# KiCad board Lotus58_Glow_125.kicad_pcb
title: Lotus 58 Glow; date: 2023-03-10; rev: v1.2.5; company: Markus Knutsson <markus.knutsson@tweety.se>; note: https://github.com/TweetyDaBird; note: Licensed under CERN-OHL-S v2 or any superseding version
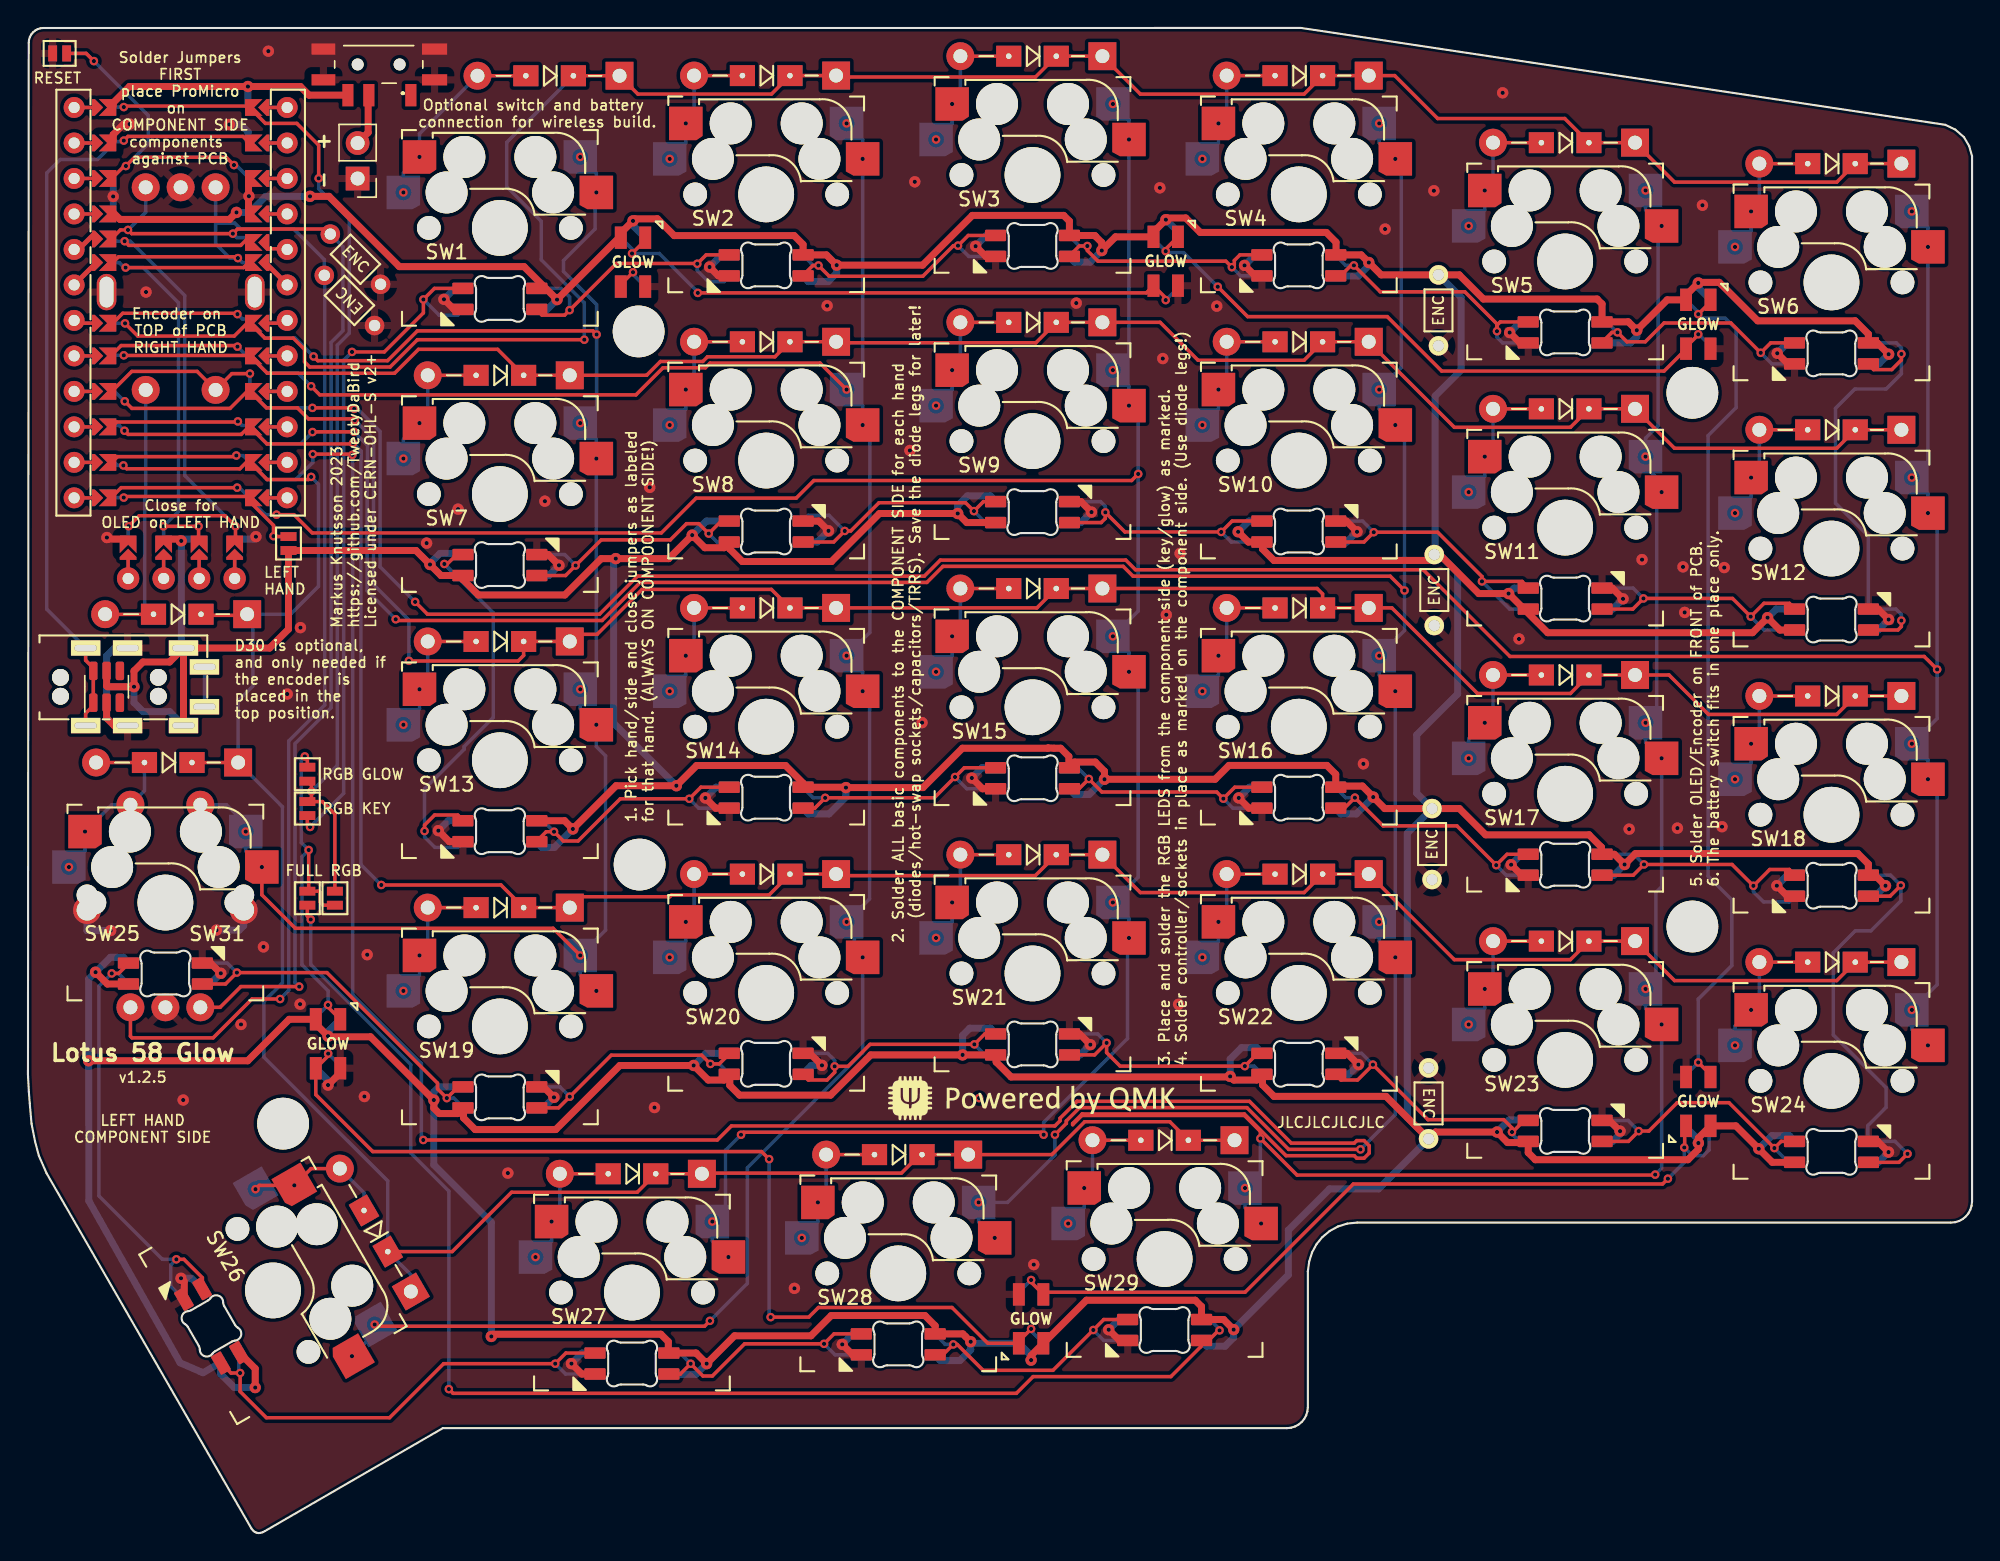
[diagram p0: board, top side]
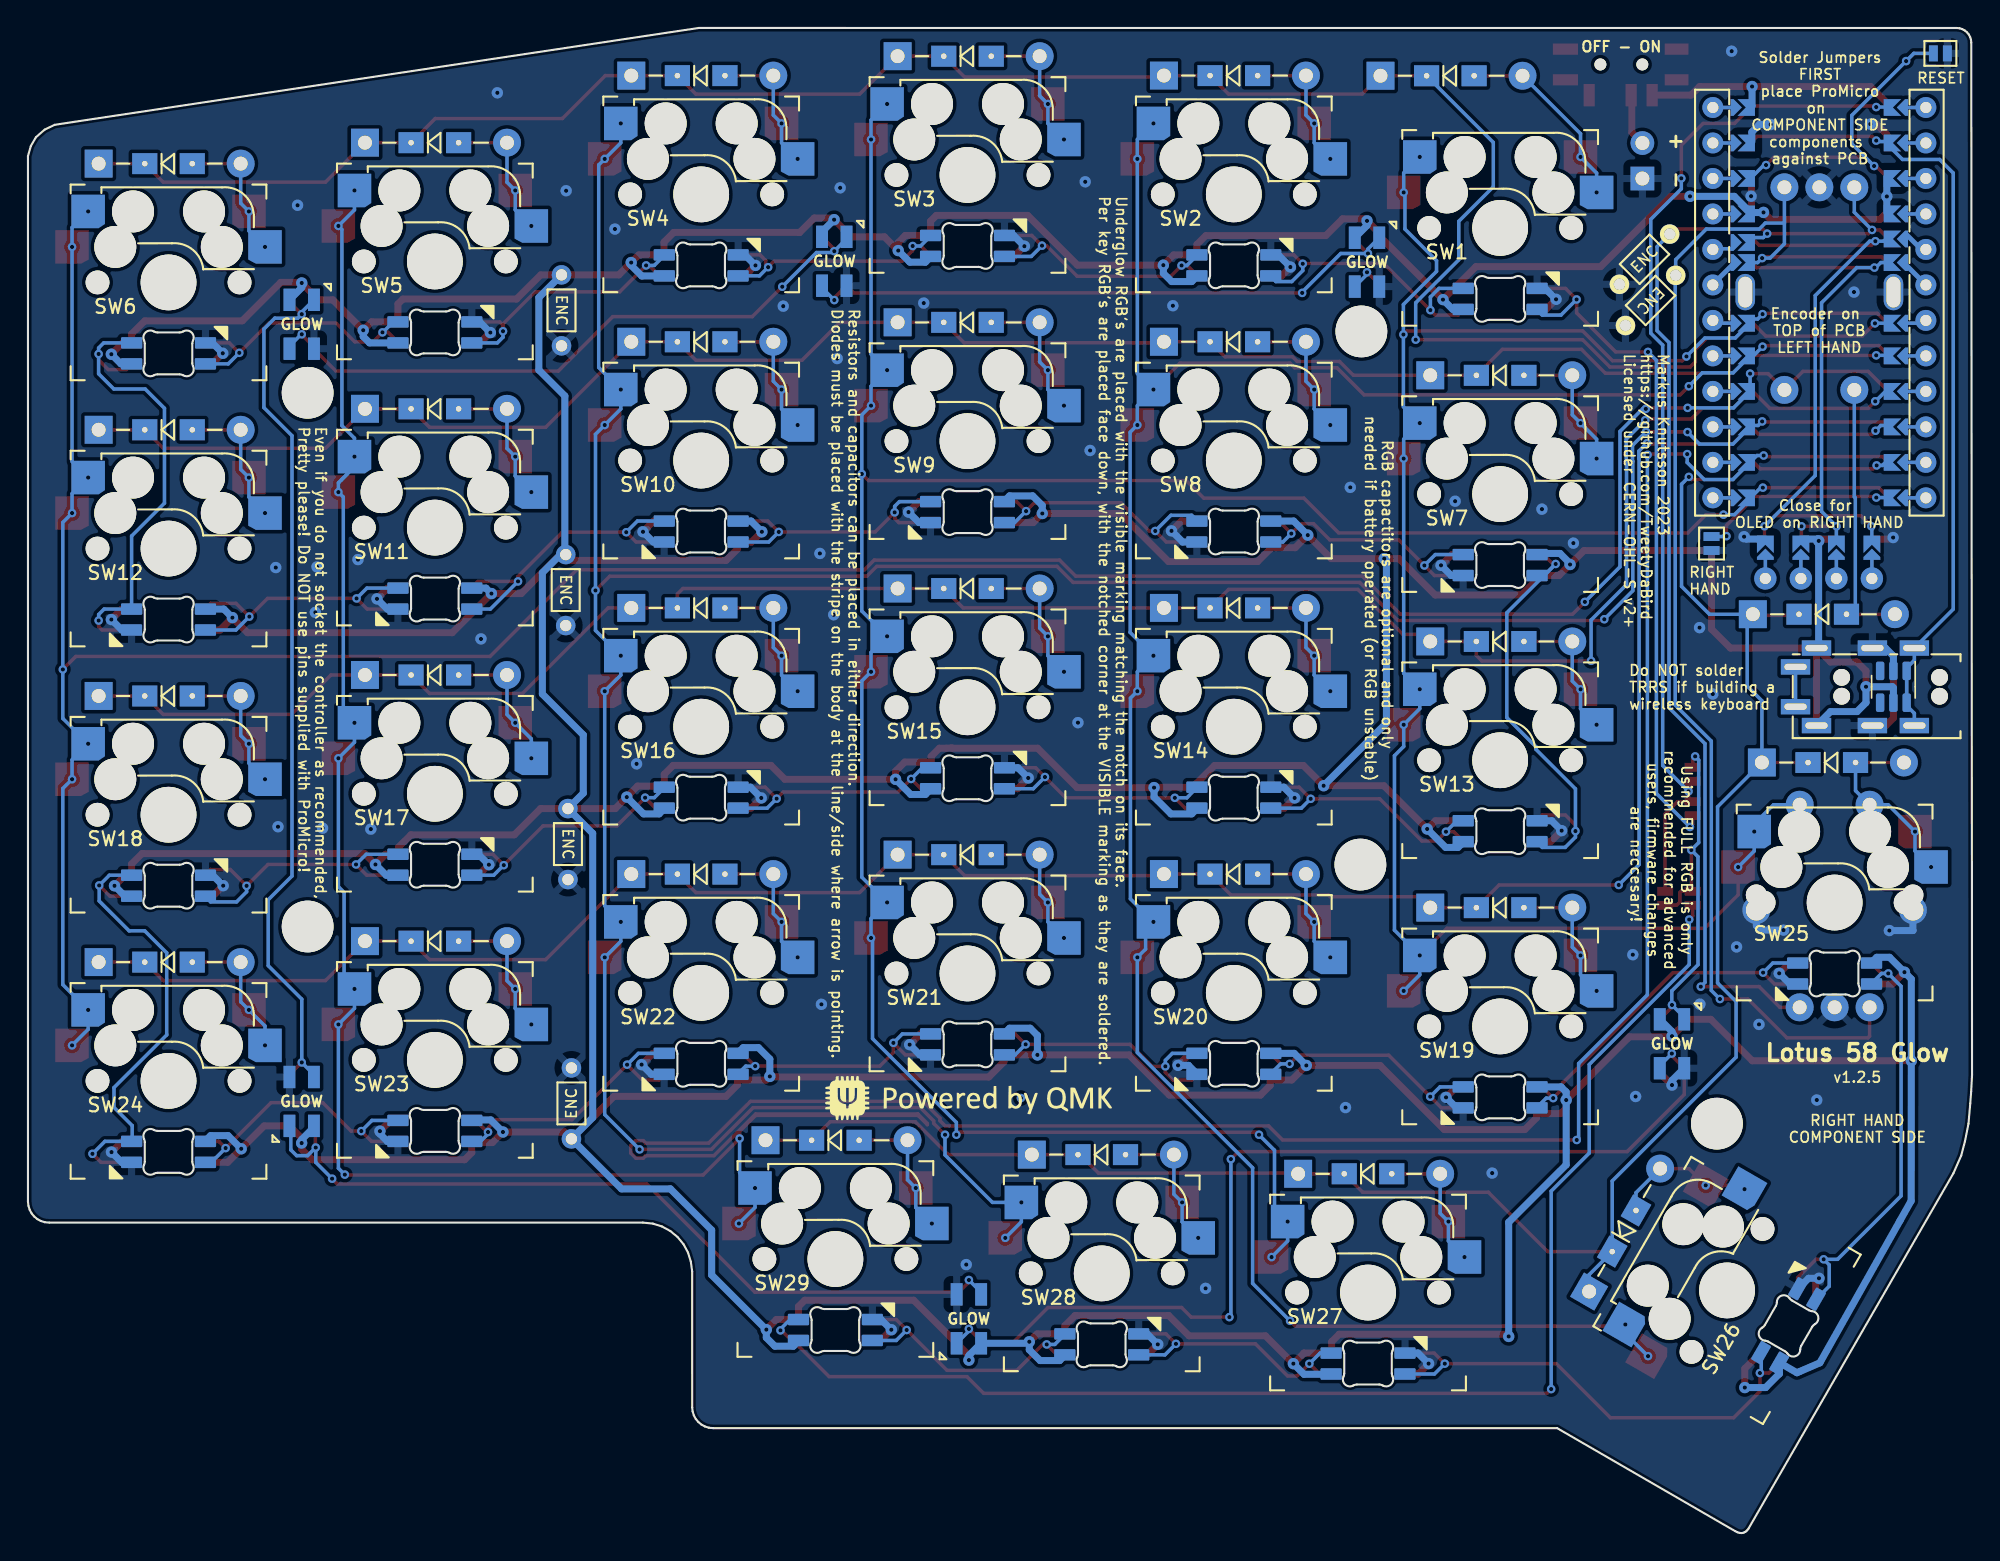
[diagram p1: board, bottom side, seen from below]

Outline 139.06 x 107.73 mm; copper layers: Top, Bottom. Coordinates in mm from the lower left corner of the outline.
Outline path: 0,32.8 0.06,106.67 0.08,106.89 0.14,107.08 0.24,107.26 0.36,107.42 0.52,107.54 0.7,107.64 0.89,107.7 1.11,107.72 91.06,107.73 137.15,100.79 137.87,100.45 138.49,99.9 138.86,99.27 139.06,98.56 139.06,23.73 139.02,23.42 138.94,23.13 138.8,22.88 138.61,22.66 138.39,22.47 138.14,22.34 137.86,22.25 137.54,22.22 95.07,22.22 94.37,22.15 93.71,21.95 93.12,21.62 92.6,21.2 92.17,20.68 91.85,20.08 91.65,19.43 91.55,18.72 91.55,8.99 91.52,8.71 91.43,8.42 91.29,8.17 91.11,7.95 90.89,7.76 90.63,7.63 90.35,7.54 90.05,7.51 29.67,7.51 16.95,0.14 16.78,0.06 16.62,0.01 16.47,0 16.34,0.03 16.21,0.09 16.09,0.19 15.98,0.33 1.33,25.75 0.77,27.02 0.51,28.03 0.25,29.3 0.13,30.76 0.06,31.59 0,32.8

## Placement (name value [footprint] x y rotation side)
C1  100nF  [RESISTOR_Reversible]  23.42 91.17 315 bottom
C2  100nF  [RESISTOR_Reversible]  23 88.22 135 bottom
C3  100nF  [RESISTOR_Reversible]  100.89 87.51 270 top
C4  100nF  [RESISTOR_Reversible]  100.6 67.49 270 top
C5  100nF  [RESISTOR_Reversible]  100.44 49.31 270 top
C6  100nF  [RESISTOR_Reversible]  100.19 30.75 90 top
D1  1N4148/1N4148W  [Diode_DO35_SOD123]  37.31 104.3 180 bottom
D2  1N4148/1N4148W  [Diode_DO35_SOD123]  52.8 104.32 180 bottom
D3  1N4148/1N4148W  [Diode_DO35_SOD123]  71.86 105.7 180 bottom
D4  1N4148/1N4148W  [Diode_DO35_SOD123]  90.91 104.31 180 bottom
D5  1N4148/1N4148W  [Diode_DO35_SOD123]  109.95 99.51 180 bottom
D6  1N4148/1N4148W  [Diode_DO35_SOD123]  129 98.01 180 bottom
D7  1N4148/1N4148W  [Diode_DO35_SOD123]  33.76 82.86 180 bottom
D8  1N4148/1N4148W  [Diode_DO35_SOD123]  52.8 85.26 180 bottom
D9  1N4148/1N4148W  [Diode_DO35_SOD123]  71.86 86.65 180 bottom
D10  1N4148/1N4148W  [Diode_DO35_SOD123]  90.91 85.26 180 bottom
D11  1N4148/1N4148W  [Diode_DO35_SOD123]  109.95 80.46 180 bottom
D12  1N4148/1N4148W  [Diode_DO35_SOD123]  129 78.96 180 bottom
D13  1N4148/1N4148W  [Diode_DO35_SOD123]  33.76 63.81 180 bottom
D14  1N4148/1N4148W  [Diode_DO35_SOD123]  52.8 66.21 180 bottom
D15  1N4148/1N4148W  [Diode_DO35_SOD123]  71.86 67.6 180 bottom
D16  1N4148/1N4148W  [Diode_DO35_SOD123]  90.91 66.21 180 bottom
D17  1N4148/1N4148W  [Diode_DO35_SOD123]  109.95 61.41 180 bottom
D18  1N4148/1N4148W  [Diode_DO35_SOD123]  129 59.91 180 bottom
D19  1N4148/1N4148W  [Diode_DO35_SOD123]  33.76 44.76 180 bottom
D20  1N4148/1N4148W  [Diode_DO35_SOD123]  52.8 47.16 180 bottom
D21  1N4148/1N4148W  [Diode_DO35_SOD123]  71.86 48.55 180 bottom
D22  1N4148/1N4148W  [Diode_DO35_SOD123]  90.91 47.16 180 bottom
D23  1N4148/1N4148W  [Diode_DO35_SOD123]  109.95 42.36 180 bottom
D24  1N4148/1N4148W  [Diode_DO35_SOD123]  129 40.86 180 bottom
D25  1N4148/1N4148W  [Diode_DO35_SOD123]  10.03 55.15 180 bottom
D26  1N4148/1N4148W  [Diode_DO35_SOD123]  24.89 21.62 120 bottom
D27  1N4148/1N4148W  [Diode_DO35_SOD123]  43.2 25.71 180 bottom
D28  1N4148/1N4148W  [Diode_DO35_SOD123]  62.25 27.09 180 bottom
D29  1N4148/1N4148W  [Diode_DO35_SOD123]  81.3 28.11 180 bottom
D30  1N4148/1N4148W  [Diode_DO35_SOD123]  10.68 65.76 180 bottom
J1  PJ-320A  [MJ-4PP-9_alim]  0.83 61.24 90 top
J2  Conn_01x02  [PinHeader_1x02_P2.54mm_Vertical]  23.58 96.95 180 top
JP1  RESET  [Jumper_Mini]  2.27 105.9 180 bottom
JP2  RESET  [Jumper_Mini]  2.27 105.9 180 top
JP3  LEFT  [Jumper_Mini]  18.64 70.82 270 top
JP4  RIGHT  [Jumper_Mini]  18.64 70.82 270 bottom
JP5  FULL  [Jumper_Mini]  19.98 54.31 270 top
JP6  FULL  [Jumper_Mini]  19.98 51.85 270 top
JP7  FULL  [Jumper_Mini]  21.95 45.44 90 top
JP15  FULL  [Jumper_Mini]  19.98 45.44 90 top
LED1  SK6812MINI-E  [MX_SK6812MINI-E_REVERSIBLE]  33.76 88.33 180 top
LED2  SK6812MINI-E  [MX_SK6812MINI-E_REVERSIBLE]  52.8 90.73 180 top
LED3  SK6812MINI-E  [MX_SK6812MINI-E_REVERSIBLE]  71.86 92.12 180 top
LED4  SK6812MINI-E  [MX_SK6812MINI-E_REVERSIBLE]  90.91 90.73 180 top
LED5  SK6812MINI-E  [MX_SK6812MINI-E_REVERSIBLE]  109.95 85.93 180 top
LED6  SK6812MINI-E  [MX_SK6812MINI-E_REVERSIBLE]  129 84.43 180 top
LED7  SK6812MINI-E  [MX_SK6812MINI-E_REVERSIBLE]  33.76 69.28 0 top
LED8  SK6812MINI-E  [MX_SK6812MINI-E_REVERSIBLE]  52.8 71.68 0 top
LED9  SK6812MINI-E  [MX_SK6812MINI-E_REVERSIBLE]  71.86 73.07 0 top
LED10  SK6812MINI-E  [MX_SK6812MINI-E_REVERSIBLE]  90.91 71.68 0 top
LED11  SK6812MINI-E  [MX_SK6812MINI-E_REVERSIBLE]  109.95 66.88 0 top
LED12  SK6812MINI-E  [MX_SK6812MINI-E_REVERSIBLE]  129 65.38 0 top
LED13  SK6812MINI-E  [MX_SK6812MINI-E_REVERSIBLE]  33.76 50.23 180 top
LED14  SK6812MINI-E  [MX_SK6812MINI-E_REVERSIBLE]  52.8 52.63 180 top
LED15  SK6812MINI-E  [MX_SK6812MINI-E_REVERSIBLE]  71.86 54.02 180 top
LED16  SK6812MINI-E  [MX_SK6812MINI-E_REVERSIBLE]  90.91 52.63 180 top
LED17  SK6812MINI-E  [MX_SK6812MINI-E_REVERSIBLE]  109.95 47.83 180 top
LED18  SK6812MINI-E  [MX_SK6812MINI-E_REVERSIBLE]  129 46.33 180 top
LED19  SK6812MINI-E  [MX_SK6812MINI-E_REVERSIBLE]  33.76 31.18 0 top
LED20  SK6812MINI-E  [MX_SK6812MINI-E_REVERSIBLE]  52.8 33.58 0 top
LED21  SK6812MINI-E  [MX_SK6812MINI-E_REVERSIBLE]  71.86 34.97 0 top
LED22  SK6812MINI-E  [MX_SK6812MINI-E_REVERSIBLE]  90.91 33.58 0 top
LED23  SK6812MINI-E  [MX_SK6812MINI-E_REVERSIBLE]  109.95 28.78 0 top
LED24  SK6812MINI-E  [MX_SK6812MINI-E_REVERSIBLE]  129 27.28 0 top
LED25  SK6812MINI-E  [MX_SK6812MINI-E_REVERSIBLE]  9.83 40.05 0 top
LED26  SK6812MINI-E  [MX_SK6812MINI-E_REVERSIBLE]  13.13 14.83 120 top
LED27  SK6812MINI-E  [MX_SK6812MINI-E_REVERSIBLE]  43.2 12.13 180 top
LED28  SK6812MINI-E  [MX_SK6812MINI-E_REVERSIBLE]  62.25 13.51 180 top
LED29  SK6812MINI-E  [MX_SK6812MINI-E_REVERSIBLE]  81.3 14.53 180 top
LED30  SK6812MINI  [LED_SK6812MINI_PLCC4_3.5x3.5mm_P1.75mmdouble]  21.46 35.02 90 top
LED31  SK6812MINI  [LED_SK6812MINI_PLCC4_3.5x3.5mm_P1.75mmdouble]  71.76 15.33 270 top
LED32  SK6812MINI  [LED_SK6812MINI_PLCC4_3.5x3.5mm_P1.75mmdouble]  119.48 30.89 270 top
LED33  SK6812MINI  [LED_SK6812MINI_PLCC4_3.5x3.5mm_P1.75mmdouble]  119.48 86.52 90 top
LED34  SK6812MINI  [LED_SK6812MINI_PLCC4_3.5x3.5mm_P1.75mmdouble]  81.38 91.03 90 top
LED35  SK6812MINI  [LED_SK6812MINI_PLCC4_3.5x3.5mm_P1.75mmdouble]  43.28 90.96 90 top
Logo1  QMK_Logo  [qmk logo]  71.78 31.14 0 top
Logo2  QMK_Logo  [qmk logo]  71.78 31.14 180 bottom
P1  OLED  [SSD1306-0.91-OLED-4pin-128x32 doublesided]  10.98 86.82 270 top
S1  -  [MSK12C02]  25.09 105.11 180 top
SW1  Kailh hotswap MX socket  [SW_MX_HotSwap_Reversible]  33.76 93.41 0 top
SW2  Kailh hotswap MX socket  [SW_MX_HotSwap_Reversible]  52.8 95.81 0 top
SW3  Kailh hotswap MX socket  [SW_MX_HotSwap_Reversible]  71.86 97.2 0 top
SW4  Kailh hotswap MX socket  [SW_MX_HotSwap_Reversible]  90.91 95.81 0 top
SW5  Kailh hotswap MX socket  [SW_MX_HotSwap_Reversible]  109.95 91.01 0 top
SW6  Kailh hotswap MX socket  [SW_MX_HotSwap_Reversible]  129 89.51 0 top
SW7  Kailh hotswap MX socket  [SW_MX_HotSwap_Reversible]  33.76 74.36 0 top
SW8  Kailh hotswap MX socket  [SW_MX_HotSwap_Reversible]  52.8 76.76 0 top
SW9  Kailh hotswap MX socket  [SW_MX_HotSwap_Reversible]  71.86 78.15 0 top
SW10  Kailh hotswap MX socket  [SW_MX_HotSwap_Reversible]  90.91 76.76 0 top
SW11  Kailh hotswap MX socket  [SW_MX_HotSwap_Reversible]  109.95 71.96 0 top
SW12  Kailh hotswap MX socket  [SW_MX_HotSwap_Reversible]  129 70.46 0 top
SW13  Kailh hotswap MX socket  [SW_MX_HotSwap_Reversible]  33.76 55.31 0 top
SW14  Kailh hotswap MX socket  [SW_MX_HotSwap_Reversible]  52.8 57.71 0 top
SW15  Kailh hotswap MX socket  [SW_MX_HotSwap_Reversible]  71.86 59.1 0 top
SW16  Kailh hotswap MX socket  [SW_MX_HotSwap_Reversible]  90.91 57.71 0 top
SW17  Kailh hotswap MX socket  [SW_MX_HotSwap_Reversible]  109.95 52.91 0 top
SW18  Kailh hotswap MX socket  [SW_MX_HotSwap_Reversible]  129 51.41 0 top
SW19  Kailh hotswap MX socket  [SW_MX_HotSwap_Reversible]  33.76 36.26 0 top
SW20  Kailh hotswap MX socket  [SW_MX_HotSwap_Reversible]  52.8 38.66 0 top
SW21  Kailh hotswap MX socket  [SW_MX_HotSwap_Reversible]  71.86 40.05 0 top
SW22  Kailh hotswap MX socket  [SW_MX_HotSwap_Reversible]  90.91 38.66 0 top
SW23  Kailh hotswap MX socket  [SW_MX_HotSwap_Reversible]  109.95 33.86 0 top
SW24  Kailh hotswap MX socket  [SW_MX_HotSwap_Reversible]  129 32.36 0 top
SW25  Kailh hotswap MX socket  [SW_MX_HotSwap_Reversible]  9.83 45.13 0 top
SW26  Kailh hotswap MX socket  [SW_MX_HotSwap_Reversible]  17.53 17.37 300 top
SW27  Kailh hotswap MX socket  [SW_MX_HotSwap_Reversible]  43.2 17.21 0 top
SW28  Kailh hotswap MX socket  [SW_MX_HotSwap_Reversible]  62.25 18.59 0 top
SW29  Kailh hotswap MX socket  [SW_MX_HotSwap_Reversible]  81.3 19.61 0 top
SW30  Rotary_Encoder_Switch  [Encoder_Alps_EC11E_Small]  10.92 88.82 270 top
SW31  Rotary_Encoder_Switch  [Encoder_Alps_EC11E_Offset_pad]  9.83 45.13 90 top
TH1  HOLE  [Spacer PCB hole]  43.68 86 0 top
TH2  HOLE  [Spacer PCB hole]  119.05 81.61 0 top
TH3  HOLE  [Spacer PCB hole]  43.75 47.85 0 top
TH4  HOLE  [Spacer PCB hole]  119.05 43.41 0 top
TH5  HOLE  [Spacer PCB hole]  18.25 29.3 90 top
U1  ProMicro  [ProMicro_jumpers]  10.92 88.06 0 top
U2  SRV05-4  [SOT-23-6]  5.62 60.57 270 bottom
U3  SRV05-4  [SOT-23-6]  5.62 60.57 90 top

## Library data of the parts
LED1-LED29 = -: Field4: 1
S1 = -: Description: SMD Toggle Switches; Height: 1.4; Manufacturer_Name: Shou Han
U2 U3 = -: LCSC: C558418

## Footprints (pads in the part's own frame, mm; a bottom-side part is the same pattern mirrored in y, then rotated)
Diode_DO35_SOD123
  rect 1.999x1.999 hole 1: 1(-5,0.003)
  rect 1.8x1.5 hole 0.4: 1(-1.7,0) 2(1.7,0)
  round 1.999 hole 1: 2(5.16,0.003)
Encoder_Alps_EC11E_Offset_pad
  round 1.5 hole 1.5 unplated: (0.54,5.6) (0.54,-5.6)
  round 2 hole 1: A(-7.5,2.5) B(-7.5,-2.5) C(-7.5,0) S1(7,-2.5) S2(7,2.5)
  round 2 hole 1.5: MP1(-0.54,5.6) MP2(-0.54,-5.6)
Encoder_Alps_EC11E_Small
  round 2 hole 1: A(-7.5,2.5) B(-7.5,-2.5) C(-7.5,0) S1(7,-2.5) S2(7,2.5)
  oval 2.6x1.4 hole 2.2x1: MP1(0,5.3) MP2(0,-5.3)
Jumper_Mini
  rect 0.635x1.143 smd: 1(-0.5,0) 2(0.5,0)
LED_SK6812MINI_PLCC4_3.5x3.5mm_P1.75mmdouble
  rect 1.6x0.85 smd: 1(-1.75,0.875) 2(-1.75,-0.875) 3(1.75,-0.875) 4(1.75,0.875)
  rect 1.6x0.85 smd far side: 1(-1.75,-0.875) 2(-1.75,0.875) 3(1.75,0.875) 4(1.75,-0.875)
MJ-4PP-9_alim
  round 1.2 hole 1.2 unplated: (-1.35,-1.5) (-1.35,-8.5) (0,-1.5) (0,-8.5)
  rect 1.1x2.1 hole 0.45x1.6: R1(-3.45,-6.3) R1(2.1,-6.3) R2(-3.45,-3.3) R2(2.1,-3.3) S(-2.1,-11.8) S(0.75,-11.8) T(-3.45,-10.3) T(2.1,-10.3)
MSK12C02
  round 0.85 hole 0.85 unplated: (-1.5,0) (1.5,0)
  rect 0.8x1.6 smd: A1(-2.3,2.2) B1(0.7,2.2) C1(2.2,2.2)
  rect 1.8x0.8 smd: MP(-4,1.1) MP(-4,-1.1)
  rect 1.7x0.8 smd: MP(3.95,1.1) MP(3.95,-1.1)
MX_SK6812MINI-E_REVERSIBLE
  rrect 1.52x0.82 smd far side: 1(-2.64,0.75) 2(-2.64,-0.75) 4(2.64,0.75)
  rrect 1.52x0.82 smd: 1(-2.64,-0.75) 2(-2.64,0.75) 3(2.64,0.75)
  rrect 1.51x0.82 smd far side: 3(2.645,-0.75)
  rrect 1.51x0.82 smd: 4(2.645,-0.75)
PinHeader_1x02_P2.54mm_Vertical
  rect 1.7x1.7 hole 1: 1(0,0)
  oval 1.7x1.7 hole 1: 2(0,-2.54)
ProMicro_jumpers
  custom 1.8x1.8 smd: (-7.76,3.45) (-7.525,1.475) (7.525,1.3)
  round 1.5 hole 0.8: (-7.62,13.97) (-7.62,11.43) (-7.62,8.89) (-7.62,6.35) (-7.62,3.81) (-7.62,1.27) (-7.62,-1.27) (-7.62,-3.81) (-7.62,-6.35) (-7.62,-8.89) (-7.62,-11.43) (-7.62,-13.97) (7.62,13.97) (7.62,11.43) (7.62,8.89) (7.62,6.35) (7.62,3.81) (7.62,1.27) (7.62,-1.27) (7.62,-3.81) (7.62,-6.35) (7.62,-8.89) (7.62,-11.43) (7.62,-13.97)
  custom 1x0.25 smd: (-6.57,-1.47) (-6.45,13.97) (-6.45,11.43) (-6.45,8.89) (-6.45,6.35) (-6.45,-3.81) (-6.45,-6.35) (-6.45,-8.89) (-6.45,-11.43) (-6.45,-13.97) (6.45,13.97) (6.45,11.43) (6.45,8.89) (6.45,6.35) (6.45,-1.47) (6.45,-3.81) (6.45,-6.35) (6.45,-8.89) (6.45,-11.43) (6.45,-13.97) (6.63,3.86)
  custom 1x0.25 smd far side: (-6.57,-1.47) (-6.45,13.97) (-6.45,11.43) (-6.45,8.89) (-6.45,6.35) (-6.45,-3.81) (-6.45,-6.35) (-6.45,-8.89) (-6.45,-11.43) (-6.45,-13.97) (6.45,13.97) (6.45,11.43) (6.45,8.89) (6.45,6.35) (6.45,-1.47) (6.45,-3.81) (6.45,-6.35) (6.45,-8.89) (6.45,-11.43) (6.45,-13.97) (6.63,3.86)
  custom 1.8x1.8 smd far side: (-6.25,4.96) (-6,3) (6,2.825)
  custom 0.8x1.2 smd: (-5.942,13.97) (-5.942,11.43) (-5.942,8.89) (-5.942,6.35) (-5.942,4.56) (-5.942,2.87) (-5.942,-1.47) (-5.942,-3.81) (-5.942,-6.35) (-5.942,-8.89) (-5.942,-11.43) (-5.942,-13.97) (5.942,13.97) (5.942,11.43) (5.942,8.89) (5.942,6.35) (5.942,4.31) (5.942,2.87) (5.942,-1.47) (5.942,-3.81) (5.942,-6.35) (5.942,-8.89) (5.942,-11.43) (5.942,-13.97)
  custom 0.8x1.2 smd far side: (-5.942,13.97) (-5.942,11.43) (-5.942,8.89) (-5.942,6.35) (-5.942,4.56) (-5.942,2.87) (-5.942,-1.47) (-5.942,-3.81) (-5.942,-6.35) (-5.942,-8.89) (-5.942,-11.43) (-5.942,-13.97) (5.942,13.97) (5.942,11.43) (5.942,8.89) (5.942,6.35) (5.942,4.31) (5.942,2.87) (5.942,-1.47) (5.942,-3.81) (5.942,-6.35) (5.942,-8.89) (5.942,-11.43) (5.942,-13.97)
  custom 1.25x1.2 smd far side: 1(-4.856,13.97) 2(-4.856,11.43) 3(-4.856,8.89) 4(-4.856,6.35) 5(-4.856,4.56) 6(-4.856,2.87) 7(-4.856,-1.47) 8(-4.856,-3.81) 9(-4.856,-6.35) 10(-4.856,-8.89) 11(-4.856,-11.43) 12(-4.856,-13.97) 13(4.856,-13.97) 14(4.856,-11.43) 15(4.856,-8.89) 16(4.856,-6.35) 17(4.856,-3.81) 18(4.856,-1.47) 19(4.856,2.87) 20(4.856,4.31) 21(4.856,6.35) 22(4.856,8.89) 23(4.856,11.43) 24(4.856,13.97)
  custom 1.25x1.2 smd: 1(4.856,13.97) 2(4.856,11.43) 3(4.856,8.89) 4(4.856,6.35) 5(4.856,4.31) 6(4.856,2.87) 7(4.856,-1.47) 8(4.856,-3.81) 9(4.856,-6.35) 10(4.856,-8.89) 11(4.856,-11.43) 12(4.856,-13.97) 13(-4.856,-13.97) 14(-4.856,-11.43) 15(-4.856,-8.89) 16(-4.856,-6.35) 17(-4.856,-3.81) 18(-4.856,-1.47) 19(-4.856,2.87) 20(-4.856,4.56) 21(-4.856,6.35) 22(-4.856,8.89) 23(-4.856,11.43) 24(-4.856,13.97)
RESISTOR_Reversible
  round 1.397 hole 0.813: 1(-2.54,0) 2(2.54,0)
SOT-23-6
  rrect 1.325x0.6 smd: 1(-1.137,0.95) 2(-1.137,0) 3(-1.137,-0.95) 4(1.137,-0.95) 5(1.137,0) 6(1.137,0.95)
Spacer PCB hole
  round 3.7 hole 3.7 unplated: (0,0)
SSD1306-0.91-OLED-4pin-128x32 doublesided
  custom 0.8x1.2 smd: (16.767,3.81) (16.767,1.27) (16.767,-1.27) (16.767,-3.81)
  custom 0.8x1.2 smd far side: (16.767,3.81) (16.767,1.27) (16.767,-1.27) (16.767,-3.81)
  custom 1x0.25 smd: (17.275,3.81) (17.275,1.27) (17.275,-1.27) (17.275,-3.81)
  custom 1x0.25 smd far side: (17.275,3.81) (17.275,1.27) (17.275,-1.27) (17.275,-3.81)
  round 1.6 hole 0.8: (18.5,3.81) (18.5,1.27) (18.5,-1.27) (18.5,-3.81)
  custom 1.25x1.2 smd far side: 1(15.681,3.81) 2(15.681,1.27) 3(15.681,-1.27) 4(15.681,-3.81)
  custom 1.25x1.2 smd: 1(15.681,-3.81) 2(15.681,-1.27) 3(15.681,1.27) 4(15.681,3.81)
SW_MX_HotSwap_Reversible
  round 1.702 hole 1.702 unplated: (-5.08,0) (5.08,0)
  round 3 hole 3 unplated: (-3.81,2.54) (-2.54,5.08) (2.54,5.08) (3.81,2.54)
  round 3.988 hole 3.988 unplated: (0,0)
  custom 2.4x2.4 smd far side: 1(-6.9,2.54) 2(5.75,5.08)
  custom 2.4x2.4 smd: 1(-5.75,5.08) 2(6.9,2.54)

## Nets
GND: C1.2 C2.1 C3.2 C4.2 C5.2 C6.2 J1.R1 J2.1 JP1.2 JP2.2 JP4.2 LED1.3 LED2.3 LED3.3 LED4.3 LED5.3 LED6.3 LED7.3 LED8.3 LED9.3 LED10.3 LED11.3 LED12.3 LED13.3 LED14.3 LED15.3 LED16.3 LED17.3 LED18.3 LED19.3 LED20.3 LED21.3 LED22.3 LED23.3 LED24.3 LED25.3 LED26.3 LED27.3 LED28.3 LED29.3 LED30.2 LED31.2 LED32.2 LED33.2 LED34.2 LED35.2 P1.1 S1.MP SW30.C SW30.MP1 SW30.MP2 SW31.C SW31.MP1 SW31.MP2 U1.3 U1.4 U1.23 U2.2 U3.2
VCC: C3.1 C4.1 C5.1 C6.1 J1.T JP3.2 LED1.1 LED2.1 LED3.1 LED4.1 LED5.1 LED6.1 LED7.1 LED8.1 LED9.1 LED10.1 LED11.1 LED12.1 LED13.1 LED14.1 LED15.1 LED16.1 LED17.1 LED18.1 LED19.1 LED20.1 LED21.1 LED22.1 LED23.1 LED24.1 LED25.1 LED26.1 LED27.1 LED28.1 LED29.1 LED30.4 LED31.4 LED32.4 LED33.4 LED34.4 LED35.4 P1.2 U1.21 U2.5 U3.5
/Batt: J2.2 S1.B1
Alt: D25.2 SW25.1 SW31.S2
Battery: S1.C1 U1.24
col0: SW6.2 SW12.2 SW18.2 SW24.2 SW30.S2 U1.16
col1: SW5.2 SW11.2 SW17.2 SW23.2 SW29.2 U1.14
col2: SW4.2 SW10.2 SW16.2 SW22.2 SW28.2 U1.15
col3: SW3.2 SW9.2 SW15.2 SW21.2 SW27.2 U1.13
col4: SW2.2 SW8.2 SW14.2 SW20.2 SW26.2 U1.17
col5: SW1.2 SW7.2 SW13.2 SW19.2 SW25.2 SW31.S1 U1.18
DATA: J1.R2 U1.2 U2.1 U2.6 U3.1 U3.6
EncA: C2.2 SW30.A SW31.A U1.19
EncB: C1.1 SW30.B SW31.B U1.20
Hand: JP3.1 JP4.1 U1.12
LED: JP5.2 JP6.1 JP7.2 U1.1
RESET: JP1.1 JP2.1 U1.22
RGB_GLOW: JP5.1 JP7.1 JP15.2 LED30.3
RGB_KEY: JP6.2 LED1.4
RGB_LINK: JP15.1 LED29.2
row0: D1.1 D2.1 D3.1 D4.1 D5.1 D6.1 U1.7
row1: D7.1 D8.1 D9.1 D10.1 D11.1 D12.1 U1.8
row2: D13.1 D14.1 D15.1 D16.1 D17.1 D18.1 U1.9
row3: D19.1 D20.1 D21.1 D22.1 D23.1 D24.1 U1.10
row4: D25.1 D26.1 D27.1 D28.1 D29.1 D30.1 U1.11
SCL: P1.3 U1.6
SDA: P1.4 U1.5
Net-(D1-Pad2): D1.2 SW1.1
Net-(D2-Pad2): D2.2 SW2.1
Net-(D3-Pad2): D3.2 SW3.1
Net-(D4-Pad2): D4.2 SW4.1
Net-(D5-Pad2): D5.2 SW5.1
Net-(D6-Pad2): D6.2 SW6.1
Net-(D7-Pad2): D7.2 SW7.1
Net-(D8-Pad2): D8.2 SW8.1
Net-(D9-Pad2): D9.2 SW9.1
Net-(D10-Pad2): D10.2 SW10.1
Net-(D11-Pad2): D11.2 SW11.1
Net-(D12-Pad2): D12.2 SW12.1
Net-(D13-Pad2): D13.2 SW13.1
Net-(D14-Pad2): D14.2 SW14.1
Net-(D15-Pad2): D15.2 SW15.1
Net-(D16-Pad2): D16.2 SW16.1
Net-(D17-Pad2): D17.2 SW17.1
Net-(D18-Pad2): D18.2 SW18.1
Net-(D19-Pad2): D19.2 SW19.1
Net-(D20-Pad2): D20.2 SW20.1
Net-(D21-Pad2): D21.2 SW21.1
Net-(D22-Pad2): D22.2 SW22.1
Net-(D23-Pad2): D23.2 SW23.1
Net-(D24-Pad2): D24.2 SW24.1
Net-(D26-Pad2): D26.2 SW26.1
Net-(D27-Pad2): D27.2 SW27.1
Net-(D28-Pad2): D28.2 SW28.1
Net-(D29-Pad2): D29.2 SW29.1
Net-(D30-Pad2): D30.2 SW30.S1
Net-(LED1-Pad2): LED1.2 LED2.4
Net-(LED2-Pad2): LED2.2 LED3.4
Net-(LED3-Pad2): LED3.2 LED4.4
Net-(LED4-Pad2): LED4.2 LED5.4
Net-(LED5-Pad2): LED5.2 LED6.4
Net-(LED7-Pad4): LED7.4 LED8.2
Net-(LED8-Pad4): LED8.4 LED9.2
Net-(LED10-Pad2): LED9.4 LED10.2
Net-(LED10-Pad4): LED10.4 LED11.2
Net-(LED11-Pad4): LED11.4 LED12.2
Net-(LED12-Pad4): LED6.2 LED12.4
Net-(LED13-Pad2): LED13.2 LED14.4
Net-(LED13-Pad4): LED7.2 LED13.4
Net-(LED14-Pad2): LED14.2 LED15.4
Net-(LED15-Pad2): LED15.2 LED16.4
Net-(LED16-Pad2): LED16.2 LED17.4
Net-(LED17-Pad2): LED17.2 LED18.4
Net-(LED18-Pad2): LED18.2 LED24.4
Net-(LED19-Pad2): LED19.2 LED25.4
Net-(LED19-Pad4): LED19.4 LED20.2
Net-(LED20-Pad4): LED20.4 LED21.2
Net-(LED21-Pad4): LED21.4 LED22.2
Net-(LED22-Pad4): LED22.4 LED23.2
Net-(LED23-Pad4): LED23.4 LED24.2
Net-(LED25-Pad2): LED25.2 LED26.4
Net-(LED26-Pad2): LED26.2 LED27.4
Net-(LED27-Pad2): LED27.2 LED28.4
Net-(LED28-Pad2): LED28.2 LED29.4
Net-(LED30-Pad1): LED30.1 LED31.3
Net-(LED31-Pad1): LED31.1 LED32.3
Net-(LED32-Pad1): LED32.1 LED33.3
Net-(LED33-Pad1): LED33.1 LED34.3
Net-(LED34-Pad1): LED34.1 LED35.3

Pads without a net: J1 S; LED35 1; S1 A1; U2 3 4; U3 3 4

## Via types
v1: diameter 0.61, hole 0.305, Top to Bottom, 258 vias
v2: diameter 0.813, hole 0.305, Top to Bottom, 124 vias
